# Altium PCB M.I.C. Control Board.PcbDoc
Units mil, origin at the board's own origin, x right, y up, seen from the top; angles counter-clockwise.
Board outline 3937.01 x 1968.5 mil, 2 copper layers (Top Layer, Bottom Layer); 64 components, 50 nets, 226 pads, 93 vias.
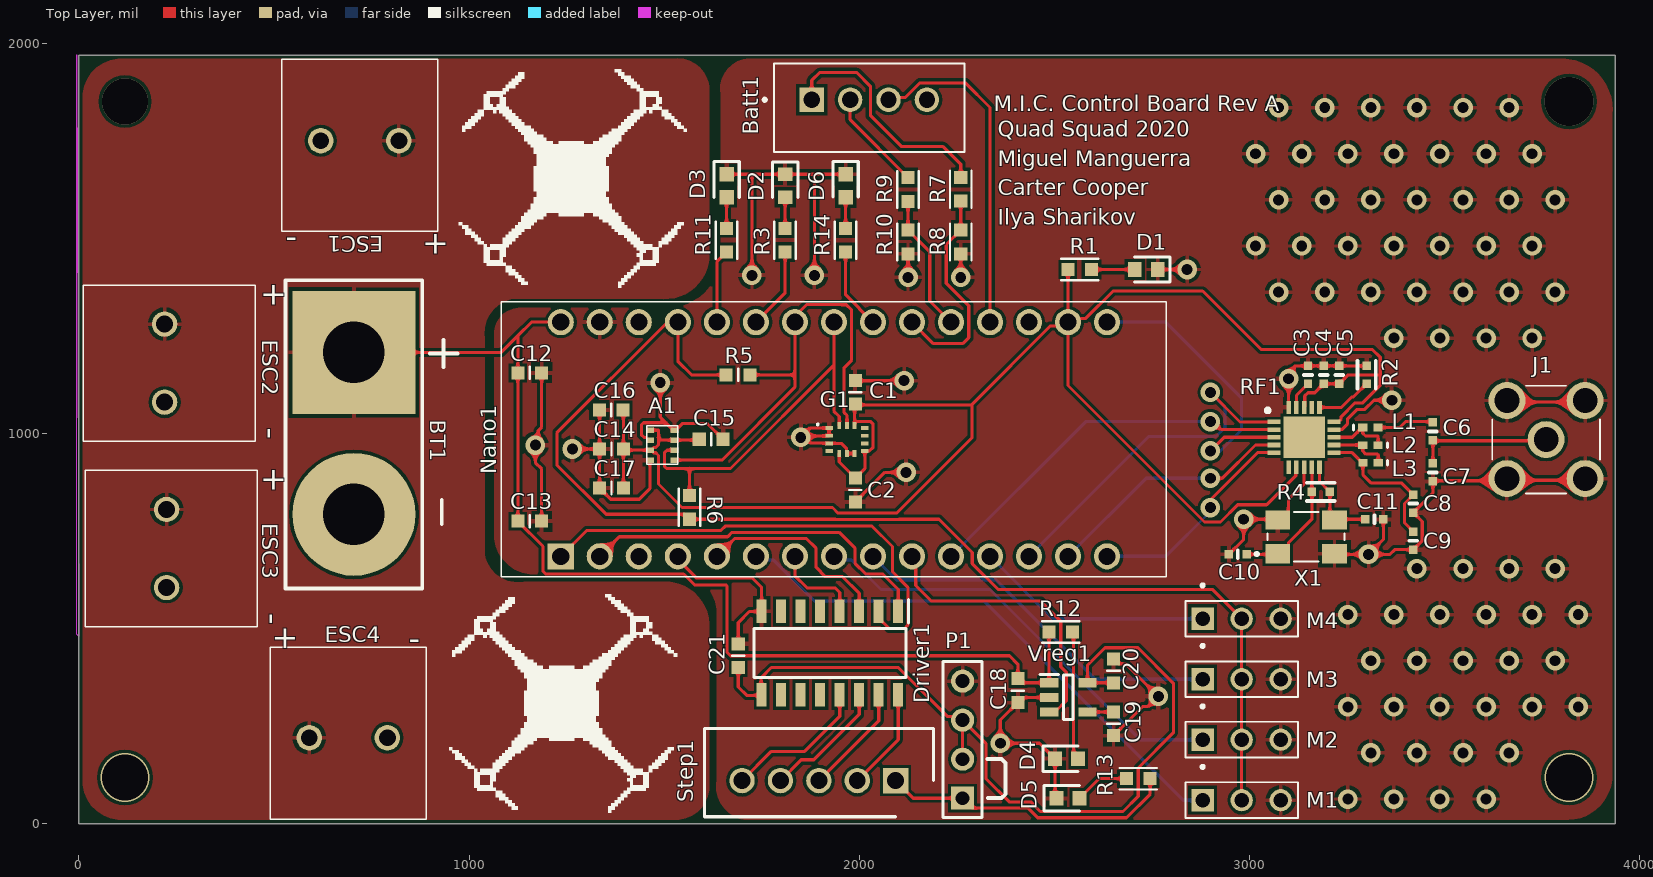
[diagram p0: Top Layer view]
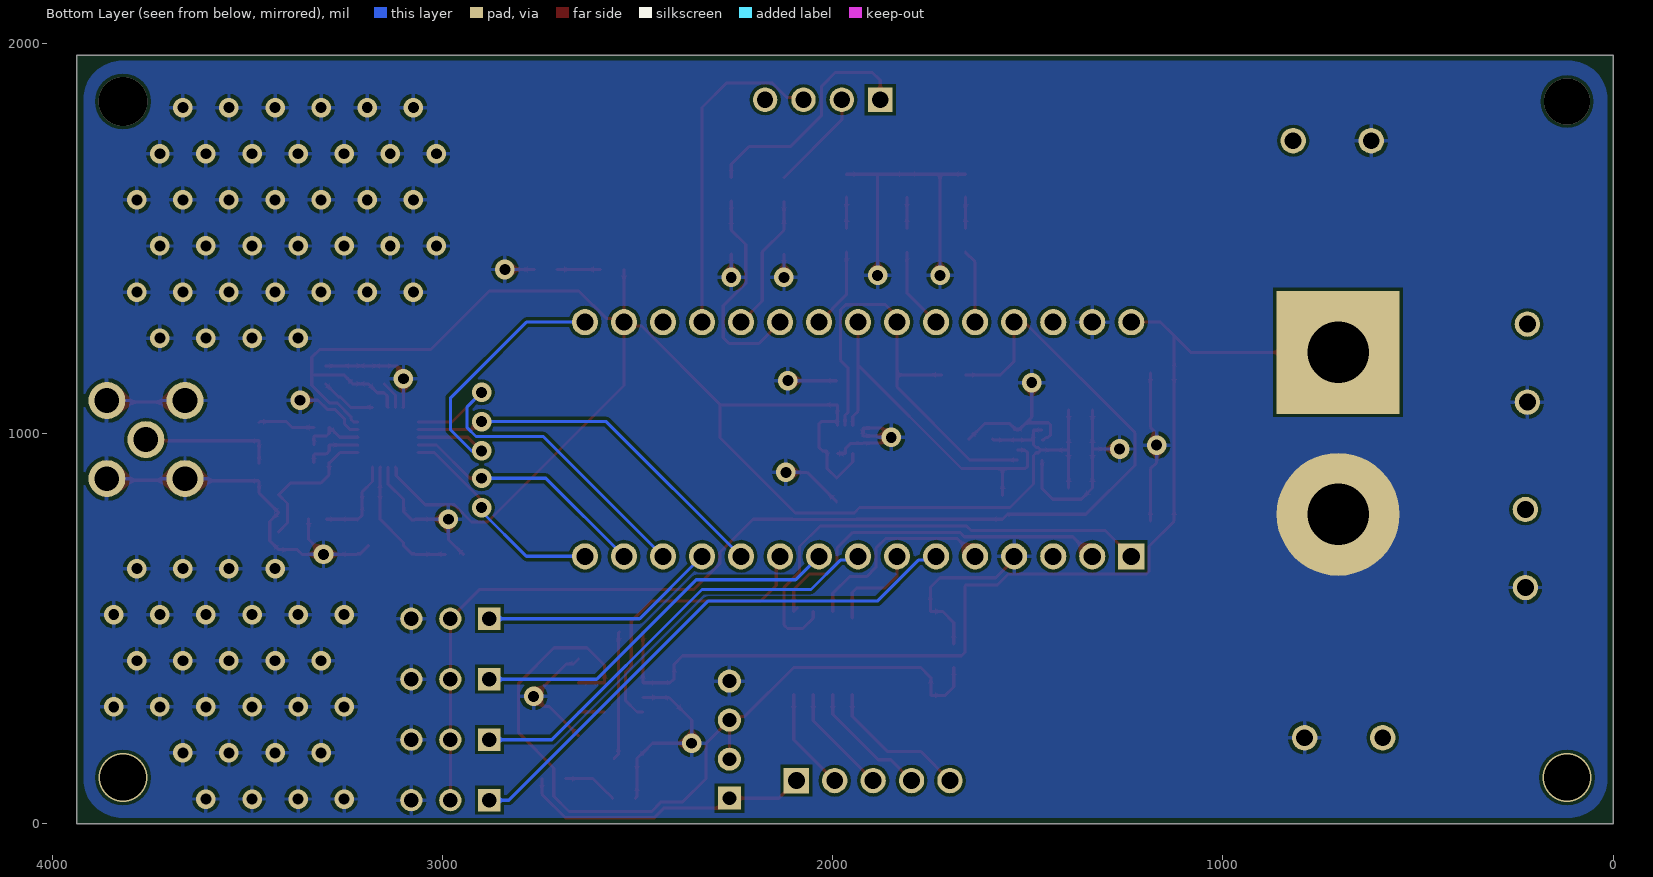
[diagram p1: Bottom Layer view, seen from below]

## Layer stack, top to bottom
Top Solder: solder mask 0.4, Solder Resist, Dk 3.5
Top Layer: signal copper 1.4
Dielectric 1: dielectric 12.6, FR-4, Dk 4.8
Bottom Layer: signal copper 1.4
Bottom Solder: solder mask 0.4, Solder Resist, Dk 3.5

## Board outline
0,0 0,1968.5 3937.01,1968.5 3937.01,0

## Design rules (kind name [scope] priority, off if disabled: settings)
Clearance [All] p1: gap=8 ignorepadtopadclearanceinfootprint=TRUE except(0: Arc-Hole Track-Hole SMDPad-Hole THPad-Hole Via-Hole Fill-Hole Poly-Hole Region-Hole Text-Hole)
PolygonConnect [All] p1: connectstyle=Relief reliefconductorwidth=10 reliefentries=4 polygonreliefangle="90 Angle" airgapwidth=10
RoutingCorners [All] p1: cornerstyle=45-Degree minsetback=100 maxsetback=110
RoutingVias [All] p1 off: holewidth=28 width=50 viastyle="Through Hole" minholewidth=28 minwidth=50 maxholewidth=28 maxwidth=50
SilkToSilkClearance [All] p1: silktosilkclearance=0
SilkToSolderMaskClearance [IsPad] p1: minsilkscreentomaskgap=0 clearancetoexposedcopper=FALSE
SolderMaskExpansion [All] p1: expansion=4 istentingtop=FALSE
UnRoutedNet [All] p1: checkbadconnections=TRUE
Width [All] p1: maxlimit=10 minlimit=8 preferedwidth=8 minimp=50.000000 maximp=50.000000 favimp=50.000000
26 further rules are at their usual default settings.

## Classes and differential pairs
component class "Motor Driver": C18 C19 C20 C21 D4 D5 Driver1 P1 R12 R13 Step1 Vreg1
component class "Altitude Sensor": A1 C14 C15 C16 C17
component class "Voltage Detection": Batt1 R7 R8 R9 R10
component class RF: C3 C4 C5 C6 C7 C8 C9 C10 C11 J1 L1 L2 L3 R2 R4 RF1 X1
component class Nano: BT1 C12 C13 D1 D2 D3 D6 ESC1 ESC2 ESC3 ESC4 M1 M2 M3 M4 Nano1 R1 R3 R5 R6 R11 R14
component class Gyro: C1 C2 G1

## Components (designator, comment, footprint, x,y, rotation, side; value= is the part's Value field where it differs from the comment)
A1 "BMP280" 8-PIN-METAL-LID-LGA 1495,970 r0 top
Batt1 "B4B-XH-A(LF)(SN) (JST-XH)" JST_B4B-XH-A(LF)(SN) 1878.15,1855 r0 top
BT1 "Battery" 12AWGBATTCONNECTOR 705,1000 r270 top
C1 "Cap" SMD-0603C 1990,1105.51 r0 top value=100nF
C2 "Cap" SMD-0603C 1990,855 r180 top value=100nF
C3 "33nF" SMD-0402C 3150,1150 r0 top value=0402
C4 "10nF" SMD-0402C 3190,1150 r0 top value=0402
C5 "1nF" SMD-0402C 3230,1150 r0 top value=0402
C6 "1.5pF" SMD-0402C 3470,1004.99 r0 top value=0402
C7 "1pF" SMD-0402C 3470,899.99 r180 top value=0402
C8 "22nF" SMD-0402C 3420,820 r180 top value=0402
C9 "4.7pF" SMD-0402C 3420,725 r180 top value=0402
C10 "12pF" SMD-0402C 2970,690 r90 top value=0402
C11 "12pF" SMD-0402C 3320,780 r270 top value=0402
C12 "Cap" SMD-0603C 1155.51,1155 r270 top value="10uF 16V"
C13 "Cap" SMD-0603C 1155.51,775 r270 top value="0.1uF 16V"
C14 "10nF" SMD-0603C 1365,960 r90 top value=0402
C15 "1nF" SMD-0603C 1620.51,985 r270 top value=0402
C16 "" SMD-0603C 1364.49,1060 r90 top value=100nF
C17 "" SMD-0603C 1365,860 r90 top value=100nF
C18 "Cap" SMD-0603C 2406.42,340.86 r180 top value=1uF
C19 "Cap" SMD-0603C 2651.42,255.86 r180 top value=470pF
C20 "Cap" SMD-0603C 2651.42,391.38 r0 top value=2.2uF
C21 "Cap" SMD-0603C 1689.88,430.12 r0 top value="10uF 16V"
D1 "150060GS55040" LEDC1608X50N 2735.47,1420 r180 top
D2 "150060GS55040" LEDC1608X50N 1810,1634.53 r270 top
D3 "150060BS75000" LEDC1608X80N 1660,1634.53 r270 top
D4 "150060GS55040" LEDC1608X50N 2531.42,165.86 r0 top
D5 "150060GS55040" LEDC1608X50N 2534.88,65.12 r0 top
D6 "150060RS75000" LEDC1608X80N 1965,1635 r270 top
Driver1 "ULN2004D1013TR" SOIC127P600X175-16N 1924.88,436.89 r270 top
ESC1 "1711725" PHEONIX-5.08PITCH-2PIN 820,1750 r180 top
ESC2 "1711725" PHEONIX-5.08PITCH-2PIN 220,1280 r270 top
ESC3 "1711725" PHEONIX-5.08PITCH-2PIN 225,805 r270 top
ESC4 "1711725" PHEONIX-5.08PITCH-2PIN 590.55,220 r0 top
G1 "LSM6DS3HTR" LGA-14(2.5X3X0.86) 1968.5,984.25 r0 top
J1 "Antenna" *SAMTEC_SMA-J-P-H-RA-TH1 3759.98,984.25 r180 top
L1 "3.9nH" 0402-A 3310,1015 r0 top value=0402
L2 "8.2nH" 0402-A 3310,970 r180 top value=0402
L3 "2.7nH" 0402-A 3310.31,925 r180 top value=0402
M1 "" *TE_3-644695-3 2980,60 r0 top
M2 "" *TE_3-644695-3 2980,215 r0 top
M3 "" *TE_3-644695-3 2980,370 r0 top
M4 "" *TE_3-644695-3 2980,525 r0 top
Nano1 "Arduino Nano Atmega 328P" ARDNanoINV 1935,985 r90 top
P1 "Header 4" HDR1X4 2264.88,65.12 r90 top
R1 "169" SMD-0603-RES 2565,1420 r90 top value=0603
R2 "22K" SMD-0402-RES 3300,1150 r180 top value=0402
R3 "169" SMD-0603-RES 1810,1495 r180 top value=0603
R4 "0402" SMD-0402-RES 3183,850 r270 top value=1M
R5 "Res1" SMD-0603C 1689.49,1150 r270 top value=4.7K
R6 "Res1" SMD-0603-RES 1565,810.51 r0 top value=4.7K
R7 "560k" SMD-0603-RES 2260,1625.51 r180 top value=0603
R8 "330k" SMD-0603-RES 2260,1490.51 r180 top value=0603
R9 "560k" SMD-0603-RES 2125,1625 r180 top value=0603
R10 "470k" SMD-0603-RES 2125,1490.51 r180 top value=0603
R11 "169" SMD-0603-RES 1660,1495 r180 top value=0603
R12 "169" SMD-0603-RES 2516.42,490.86 r90 top value=0603
R13 "169" SMD-0603-RES 2714.88,115.12 r270 top value=0603
R14 "169" SMD-0603-RES 1965,1495 r180 top value=0603
RF1 "NRF24L01" QFN50P400X400X95-21N-D 3140,990 r0 top
Step1 "B5B-XH-A_LF__SN_" SHDR5W64P0X250_1X5_1490X575X700P 2093.31,110.12 r0 top
Vreg1 "MIC5219-5.0YM5-TR" SOT95P280X145-5N 2535.64,323.46 r0 top
X1 "16 MHz Crystal" *XTAL_ECS-160-12-30BQ-AEN-TR 3145,735 r0 top

## Footprints (in the part's own frame and the unit in brackets; to place one, negate y for a bottom-side part, rotate by r counter-clockwise, add the part's x,y. Pads: shape width x height; smd on the part's side, far side on the other; paste and mask are expansions set on the pad)
8-PIN-METAL-LID-LGA [mm]
  rect 0.5x0.35 smd: 1(0.8,0.975) 2(0.8,0.325) 3(0.8,-0.325) 4(0.8,-0.975) 5(-0.8,-0.975) 6(-0.8,-0.325) 7(-0.8,0.325) 8(-0.8,0.975)
  silkscreen extent -1,-1.25 1,1.25, body extent -1,-1.25 1,1.25, height 1
12AWGBATTCONNECTOR [mm] "12 AWG Battery Connector"
  rect 8x8 hole 4: 1(-5.271,0)
  round 8 hole 4: 2(5.271,0)
  silkscreen extent -9.97,-4.45 10.1,6.73
0402-A [mm] "Chip Inductor, Body 1.0x0.5mm, IPC High Density"
  rect 0.6x0.5 smd: 1(-0.5,0) 2(0.5,0)
  silkscreen extent -1.1,-0.15 -1.1,0.15, body extent -0.55,-0.3 0.55,0.3, height 0.55
*SAMTEC_SMA-J-P-H-RA-TH1 [mm]
  round 2.4 hole 1.6: 1(0,0) 2(2.54,-2.54) 3(2.54,2.54) 4(-2.54,2.54) 5(-2.54,-2.54)
  silkscreen extent -3.5,-3.5 3.5,3.5, body extent -16.46,-3.94 4.01,3.99, height 4.44
*TE_3-644695-3 [mm]
  rect 1.448x1.448 hole 0.94: 1(-2.54,0)
  round 1.448 hole 0.94: 2(0,0) 3(2.54,0)
  silkscreen extent -3.66,-1.17 3.66,2.27, body extent -3.81,-1.27 3.81,1.27, height 5.5
*XTAL_ECS-160-12-30BQ-AEN-TR [mm]
  rect 1.6x1.25 smd: 1(-1.85,-1.1) 2(1.85,-1.1) 3(1.85,1.1) 4(-1.85,1.1)
  silkscreen extent -3.31,-1.6 2.5,1.6
ARDNanoINV [mm]
  rect 1.7x1.7 hole 1.11: 1(-7.62,17.78)
  round 1.7 hole 1.11: 2(-7.62,15.24) 3(-7.62,12.7) 4(-7.62,10.16) 5(-7.62,7.62) 6(-7.62,5.08) 7(-7.62,2.54) 8(-7.62,0) 9(-7.62,-2.54) 10(-7.62,-5.08) 11(-7.62,-7.62) 12(-7.62,-10.16) 13(-7.62,-12.7) 14(-7.62,-15.24) 15(-7.62,-17.78) 16(7.62,17.78) 17(7.62,15.24) 18(7.62,12.7) 19(7.62,10.16) 20(7.62,7.62) 21(7.62,5.08) 22(7.62,2.54) 23(7.62,0) 24(7.62,-2.54) 25(7.62,-5.08) 26(7.62,-7.62) 27(7.62,-10.16) 28(7.62,-12.7) 29(7.62,-15.24) 30(7.62,-17.78)
  silkscreen extent -8.94,-21.64 8.94,21.64, body extent -9,-23.4 9,21.6, height 13.91
HDR1X4 [mm] "Connector; Header; 4 Position"
  rect 1.5x1.5 hole 0.9: 1(0,0)
  round 1.5 hole 0.9: 2(2.54,0) 3(5.08,0) 4(7.62,0)
  silkscreen extent -1.27,-1.27 8.89,1.27
JST_B4B-XH-A(LF)(SN) [mm]
  rect 1.59x1.59 hole 1.06: 1(0,0)
  round 1.59 hole 1.06: 2(2.5,0) 3(5,0) 4(7.5,0)
  silkscreen extent -3.16,-3.4 9.95,2.35, body extent -2.49,-3.38 9.91,2.37, height 7
LEDC1608X50N [mm]
  rect 0.9x0.95 smd: 1(-0.75,0) 2(0.75,0)
  silkscreen extent -1.55,-0.82 0.75,0.82, body extent -0.84,-0.38 0.76,0.42, height 0.35
LEDC1608X80N [mm]
  rect 0.95x0.95 smd: 1(-0.75,0) 2(0.75,0)
  silkscreen extent -1.58,-0.82 0.75,0.82, body extent -0.8,-0.42 0.8,0.38, height 0.35
LGA-14(2.5X3X0.86) [mm]
  rect 0.475x0.25 smd: 1(-1.162,0.75) 2(-1.162,0.25) 3(-1.162,-0.25) 4(-1.162,-0.75) 8(1.162,-0.75) 9(1.162,-0.25) 10(1.162,0.25) 11(1.162,0.75)
  rect 0.25x0.475 smd: 5(-0.5,-0.913) 6(0,-0.913) 7(0.5,-0.913) 12(0.5,0.913) 13(0,0.913) 14(-0.5,0.913)
  silkscreen extent -1.93,0.95 -1.88,1.01, body extent -1.5,-1.25 1.5,1.25, height 0.76
PHEONIX-5.08PITCH-2PIN [mm]
  round 1.65 hole 1.1: 1(0,0) 2(5.08,0)
  silkscreen extent -2.54,-5.3 7.62,5.9, body extent -2.86,-5.35 7.87,5.85, height 18.3
QFN50P400X400X95-21N-D [mm]
  rect 0.85x0.3 smd: 1(-1.95,1) 2(-1.95,0.5) 3(-1.95,0) 4(-1.95,-0.5) 5(-1.95,-1) 11(1.95,-1) 12(1.95,-0.5) 13(1.95,0) 14(1.95,0.5) 15(1.95,1)
  rect 0.3x0.85 smd: 6(-1,-1.95) 7(-0.5,-1.95) 8(0,-1.95) 9(0.5,-1.95) 10(1,-1.95) 16(1,1.95) 17(0.5,1.95) 18(0,1.95) 19(-0.5,1.95) 20(-1,1.95)
  rect 2.7x2.7 smd: 21(0,0)
  silkscreen extent -2.5,1.63 -2.25,1.87, body extent -2.05,-2.05 2.05,2.05, height 0.95
SHDR5W64P0X250_1X5_1490X575X700P [mm]
  rect 1.65x1.65 hole 1.1: 1(0,0)
  round 1.65 hole 1.1: 2(-2.5,0) 3(-5,0) 4(-7.5,0) 5(-10,0)
  silkscreen extent -12.45,-2.35 2.45,3.4, body extent -12.45,-2.37 2.45,3.38, height 7
SMD-0402-RES [mm]
  rect 0.55x0.55 smd: 1(0,0.584) 2(0,-0.584)
  silkscreen extent -0.6,-0.9 0.6,0.9, body extent -0.28,-0.57 0.27,0.58, height 0.41
SMD-0402C [mm]
  rect 0.55x0.55 smd: 1(0,0.584) 2(0,-0.584)
  silkscreen extent -0.25,0 0.25,0, body extent -0.25,-0.51 0.25,0.51, height 0.51
SMD-0603-RES [mm]
  rect 0.85x0.85 smd: 1(0,0.775) 2(0,-0.775)
  silkscreen extent -0.7,-1.2 0.7,1.2, body extent -0.4,-0.85 0.4,0.85, height 0.56
SMD-0603C [mm]
  rect 0.85x0.85 smd: 1(0,0.775) 2(0,-0.775)
  silkscreen extent -0.4,0 0.4,0, body extent -0.4,-0.8 0.4,0.8, height 0.9
SOIC127P600X175-16N [mm]
  rect 1.525x0.65 smd: 1(-2.712,4.445) 2(-2.712,3.175) 3(-2.712,1.905) 4(-2.712,0.635) 5(-2.712,-0.635) 6(-2.712,-1.905) 7(-2.712,-3.175) 8(-2.712,-4.445) 9(2.712,-4.445) 10(2.712,-3.175) 11(2.712,-1.905) 12(2.712,-0.635) 13(2.712,0.635) 14(2.712,1.905) 15(2.712,3.175) 16(2.712,4.445)
  silkscreen extent -3.47,-4.95 1.6,5.12, body extent -3,-4.95 3,4.95, height 1.75
SOT95P280X145-5N [mm]
  rect 1.2x0.6 smd: 1(-1.25,0.95) 2(-1.25,0) 3(-1.25,-0.95) 4(1.25,-0.95) 5(1.25,0.95)
  silkscreen extent -1.85,-1.45 0.3,1.5, body extent -1.4,-1.45 1.4,1.45, height 1.45

## Part data
A1: "Pressure Sensor 4.35PSI ~ 15.95PSI _30kPa ~ 110kPa_ Absolute 16b 8-SMD", Package="SMD-8 Bosch Sensortec", Digi-Key_Part_Number=828-1064-1-ND, Digi-Key_Purchase_URL=https://www.digikey.com/product-detail/en/bosch-sensortec/BMP280/828-1064-1-ND/6136315?utm_source=snapeda&utm_medium=aggregator&utm_campaign=symbol, MF=Bosch, MP=BMP280, SnapEDA_Link=https://www.snapeda.com/parts/BMP280/Bosch%20Sensortec/view-part/1186631/?ref=snap
Batt1: library part B4B-XH-A(LF)(SN), "Connector Header Through Hole 4 position 0.098 _2.50mm_", Package=None, Availability=Unavailable, MF="JST Sales", MP=B4B-XH-A_LF__SN_, Price=None, SnapEDA_Link=https://www.snapeda.com/parts/B4B-XH-A%28LF%29%28SN%29/JST%20Sales%20America%20Inc./view-part/447494/?ref=snap
BT1: "Multicell Battery", LatestRevisionDate=17-Jul-2002, LatestRevisionNote="Re-released for DXP Platform.", PackageDescription="Battery; 2 Leads", PackageReference=BAT-2, Published=24-Mar-1999, Publisher="Altium Limited"
C1 C2 C12 C13 C18 C19 C20 C21: "Capacitor", LatestRevisionDate=17-Jul-2002, LatestRevisionNote="Re-released for DXP Platform.", PackageDescription="Radial Cap, Thru-Hole; 2 Leads; 0.3 in Pin Spacing", PackageReference=RAD-0.3, Published=8-Jun-2000, Publisher="Altium Limited"
C3 C4 C5 C6 C7 C8 C9 C10 C11 C14 C15 C16 C17: library part Cap, "Capacitor", LatestRevisionDate=17-Jul-2002, LatestRevisionNote="Re-released for DXP Platform.", PackageDescription="Radial Cap, Thru-Hole; 2 Leads; 0.3 in Pin Spacing", PackageReference=RAD-0.3, Published=8-Jun-2000, Publisher="Altium Limited"
D1 D2 D4 D5: "LED", Manufacturer_Name="Wurth Elektronik", Mouser Part Number=710-150060GS55040, RS Part Number=1766068P, Datasheet Link=https://katalog.we-online.de/led/datasheet/150060GS55040.pdf, Height=0.5mm, Manufacturer_Part_Number=150060GS55040, Mouser Price/Stock=https://www.mouser.com/Search/Refine.aspx?Keyword=710-150060GS55040, RS Price/Stock=http://uk.rs-online.com/web/p/products/1766068P
D3: "LED", Manufacturer_Name="Wurth Elektronik", Mouser Part Number=710-150060BS75000, RS Part Number=8154206P, Datasheet Link=https://componentsearchengine.com/Datasheets/2/150060BS75000.pdf, Height=0.8mm, Manufacturer_Part_Number=150060BS75000, Mouser Price/Stock=https://www.mouser.com/Search/Refine.aspx?Keyword=710-150060BS75000, RS Price/Stock=http://uk.rs-online.com/web/p/products/8154206P
D6: "LED", Manufacturer_Name="Wurth Elektronik", Mouser Part Number=710-150060RS75000, RS Part Number=8154203P, Datasheet Link=http://katalog.we-online.de/led/datasheet/150060RS75000.pdf, Height=0.8mm, Manufacturer_Part_Number=150060RS75000, Mouser Price/Stock=https://www.mouser.com/Search/Refine.aspx?Keyword=710-150060RS75000, RS Price/Stock=http://uk.rs-online.com/web/p/products/8154203P
Driver1: "Integrated Circuit", Manufacturer_Name=STMicroelectronics, Mouser Part Number=511-ULN2004D1013TR, RS Part Number=6868161P, Allied_Number=70391946, Allied Price/Stock=http://www.alliedelec.com/stmicroelectronics-uln2004d1013tr/70391946/, Datasheet Link=http://www.st.com/st-web-ui/static/active/en/resource/technical/document/datasheet/CD00001244.pdf, Height=1.75mm, Manufacturer_Part_Number=ULN2004D1013TR, Mouser Price/Stock=https://www.mouser.com/Search/Refine.aspx?Keyword=511-ULN2004D1013TR, RS Price/Stock=http://uk.rs-online.com/web/p/products/6868161P
ESC1 ESC2 ESC3 ESC4: "Integrated Circuit", Manufacturer_Name="Phoenix Contact", Mouser Part Number=651-1711725, RS Part Number=1895843, Allied_Number=70054425, Allied Price/Stock=http://www.alliedelec.com/phoenix-contact-1711725/70054425/, Datasheet Link=http://docs-asia.electrocomponents.com/webdocs/1380/0900766b81380186.pdf, Manufacturer_Part_Number=1711725, Mouser Price/Stock=https://www.mouser.com/Search/Refine.aspx?Keyword=651-1711725, RS Price/Stock=http://uk.rs-online.com/web/p/products/1895843
G1: "Integrated Circuit", Manufacturer_Name=STMicroelectronics, Mouser Part Number=511-LSM6DS3HTR, Datasheet Link=http://www.st.com/content/ccc/resource/technical/document/datasheet/group0/38/96/79/af/ab/62/42/c3/DM00229854/files/DM00229854.pdf/jcr:content/translations/en.DM00229854.pdf, Manufacturer_Part_Number=LSM6DS3HTR, Mouser Price/Stock=https://www.mouser.com/Search/Refine.aspx?Keyword=511-LSM6DS3HTR
J1: library part SMA-J-P-H-RA-TH1, "SMA Connector Jack, Female Socket 50Ohm Through Hole, Right Angle Solder", Package=None, Availability=Unavailable, MF=Samtec, MP=SMA-J-P-H-RA-TH1, Price=None, SnapEDA_Link=https://www.snapeda.com/parts/SMA-J-P-H-RA-TH1/Samtec%20Inc./view-part/134498/?ref=snap
L1 L2 L3: library part Inductor, "Inductor", Code_IEC=1005, Code_JEITA=0402, LatestRevisionDate=29-May-2009, LatestRevisionNote="IPC-7351 Footprint Added.", PackageDescription="Chip Inductor", PackageReference=0402-A, Published=8-Jun-2000, Publisher="Altium Limited"
M1 M2 M3 M4: library part "Header 3", "Header, 3-Pin", LatestRevisionDate=17-Jul-2002, LatestRevisionNote="Re-released for DXP Platform.", Publisher="Altium Limited"
Nano1: library part ARDNanoINV, "Integrated Circuit", Manufacturer_Name=Arduino, Mouser Part Number=992-ARD-NANO30, Datasheet Link=https://componentsearchengine.com/Datasheets/2/A000005.pdf, Height=10.1mm, Manufacturer_Part_Number=ARDNanoINV, Mouser Price/Stock=http://www.mouser.com/Search/ProductDetail.aspx?qs=Vxac6xGyzPmCaTfvE003gg%3d%3d
P1: "Header, 4-Pin", LatestRevisionDate=17-Jul-2002, LatestRevisionNote="Re-released for DXP Platform.", Publisher="Altium Limited"
R1 R2 R3 R4 R7 R8 R9 R10 R11 R12 R13 R14: library part Res1, "Resistor", LatestRevisionDate=17-Jul-2002, LatestRevisionNote="Re-released for DXP Platform.", PackageDescription="Axial Device, Thru-Hole; 2 Leads; 0.3 in Pin Spacing", PackageReference=AXIAL-0.3, Published=8-Jun-2000, Publisher="Altium Limited"
R5 R6: "Resistor", LatestRevisionDate=17-Jul-2002, LatestRevisionNote="Re-released for DXP Platform.", PackageDescription="Axial Device, Thru-Hole; 2 Leads; 0.3 in Pin Spacing", PackageReference=AXIAL-0.3, Published=8-Jun-2000, Publisher="Altium Limited"
RF1: "Integrated Circuit", Manufacturer_Name="Nordic Semiconductor", Mouser Part Number=949-NRF24L01, RS Part Number=6156531, Datasheet Link=https://www.nordicsemi.com/chi/content/download/2730/34105/file/nRF24L01_Product_Specification_v2_0.pdf, Height=0.95mm, Manufacturer_Part_Number=NRF24L01, Mouser Price/Stock=https://www.mouser.com/Search/Refine.aspx?Keyword=949-NRF24L01, RS Price/Stock=http://uk.rs-online.com/web/p/products/6156531
Step1: "28BYJ-48 Stepper Motor", Manufacturer_Name="JST (JAPAN SOLDERLESS TERMINALS)", Manufacturer_Part_Number=B5B-XH-A(LF)(SN), RS Part Number=8201560P, Datasheet Link=http://www.jst-mfg.com/product/pdf/eng/eXH.pdf, Height=7mm, RS Price/Stock=http://uk.rs-online.com/web/p/products/8201560P
Vreg1: "Integrated Circuit", Manufacturer_Name=Microchip, Mouser Part Number=998-MIC5219-5.0YM5TR, RS Part Number=9101755P, Datasheet Link=http://ww1.microchip.com/downloads/en/DeviceDoc/MIC5219-500mA-Peak-Output-LDO-Regulator-DS20006021A.pdf, Height=1.45mm, Manufacturer_Part_Number=MIC5219-5.0YM5-TR, Mouser Price/Stock=https://www.mouser.com/Search/Refine.aspx?Keyword=998-MIC5219-5.0YM5TR, RS Price/Stock=http://uk.rs-online.com/web/p/products/9101755P
X1: library part ECS-160-12-30BQ-AEN-TR, "16MHz Â±25ppm Crystal 12pF 50 Ohms 4-SMD, No Lead", Package="SMD-4 ECS International", Availability=Unavailable, MF="ECS Inc.", MP=ECS-160-12-30BQ-AEN-TR, Price=None, SnapEDA_Link=https://www.snapeda.com/parts/ECS-160-12-30BQ-AEN-TR/ECS%20Inc./view-part/2749540/?ref=snap

## Via types
v1: diameter 50, hole 28, Top Layer to Bottom Layer, 89 vias
v2: diameter 125.98, hole 118.11, Top Layer to Bottom Layer, 2 vias
v3: diameter 125.98, hole 125.98, Top Layer to Bottom Layer, 1 vias
v4: diameter 118.11, hole 118.11, Top Layer to Bottom Layer, 1 vias

## Nets (pads, with @x,y where several pads share a name; then routed paths per layer and width w, separated by ;. In a path a pad name is that pad's centre, name@x,y a point inside that pad or via, vN(x,y) a via of type N, cw(c..) or ccw(c..) an arc to the next point about the centre after c; other vN are vias at no path point)
+5V: M1.2 M2.2 M3.2 M4.2 Nano1.19 R5.2 R6.2 | length 3152
  Top Layer w8: R5.2 1570,1150 1535,1185 Nano1.19 1508.54,1285 1225,1001.46 1225,919.05 1351.32,792.73 1552.27,792.73 R6.2 1938.8,780 1939.04,779.76 2102.05,779.76 2102.3,780 2204.3,780 2289.54,694.76 2289.54,666.17 2355.43,600.27 2904.73,600.27 M4.2 M3.2 M2.2 M1.2 M1.2@2977.5,57.5
Blue: Nano1.20 R11.1 | length 209.8
  Top Layer w8: Nano1.20@1655,1285 Nano1.20 1635,1439.49 R11.1
D3: M1.1 Nano1.6 | length 1403.9
  Bottom Layer w8: Nano1.6 1744.76,675.24 1780.46,675.24 1885.7,570 2320,570 2830,60 M1.1
D5: M2.1 Nano1.8 | length 1139.7
  Bottom Layer w8: Nano1.8 1944.76,675.24 1980.46,675.24 2055.7,600 2335,600 2720,215 M2.1
D6: M3.1 Nano1.9 | length 989.7
  Top Layer w8: Nano1.9@2035,670 Nano1.9@2035,684.25
  Bottom Layer w8: Nano1.9 2095,625 2350,625 2605,370 M3.1
D9: M4.1 Nano1.12 | length 611.3
  Bottom Layer w8: Nano1.12 2495,525 M4.1
GND: A1.1 A1.5 A1.7 BT1.2 C1.1 C2.1 C3.1 C4.1 C5.1 C7.1 C8.1 C9.1 C10.1 C11.1 C12.1 C13.1 C14.1 C15.1 C16.1 C17.1 C18.1 C19.1 C20.1 C21.1 D1.1 D2.1 D3.1 D4.1 D5.1 D6.1 Driver1.8 ESC1.2 ESC2.2 ESC3.2 ESC4.2 G1.1 G1.2 G1.3 G1.6 G1.7 J1.2 J1.3 J1.4 J1.5 M1.3 M2.3 M3.3 M4.3 Nano1.4 Nano1.17 P1.4 R2.2 R8.1 R10.1 RF1.8 RF1.14 RF1.20 Vreg1.2 X1.2 X1.4 | length 6187.7
  Top Layer w8: BT1.2@705,785 BT1.2@712.5,792.5 ; BT1.2 BT1.2@712.5,792.5 ; BT1.2@715.51,792.5 BT1.2@712.5,792.5 ; BT1.2@715.51,795.51 BT1.2@712.5,792.5 ; C13.1 1186.02,908.98 1170,925 v1(1170,970) 1177,977 1177,1007 1186.02,1016.02 C12.1 ; v1(1265,960) C14.1 ; C16.1 1334.49,1059.49 C14.1 ; A1.5 1463.5,858.5 1436.27,831.27 1363.22,831.27 C17.1 C14.1 ; A1.7 1460.55,982.8 1453.85,989.5 1448.69,989.5 1441.66,996.53 1441.66,1021.66 1447.28,1027.28 1504.65,1027.28 ; v1(1490,1130) 1490,1041.93 1504.65,1027.28 ; Nano1.4 1550,685 1550,662.02 1582.02,630 1725,630 1749.88,605.12 Driver1.8 1718.43,543.66 1689.88,515.12 C21.1 ; C15.1 1611.02,1025 1546.06,1025 1529.45,1008.39 A1.1 1523.54,1008.39 1504.65,1027.28 ; D3.1 1725,1664.06 ; v1(1725,1405) 1725,1664.06 ; v1(1885,1405) 1885,1661.79 1887.26,1664.06 ; D6.1 1964.53,1664.06 1887.26,1664.06 ; G1.7 G1.6 1967.58,949.25 1967.58,960.81 1953.98,974.41 G1.3 1922.15,975 1876.37,975 1861.37,990 v1(1850,990) v1@1853.17,993.17 ; C2.1 2065.51,900 v1(2120,900) ; C1.1 1991.02,1135 v1(2115,1135) ; v1(2125,1400) R10.1 ; v1(2260,1400) R8.1 ; Vreg1.2 2486.05,323.08 2419.16,323.08 C18.1 2361.42,265.35 v1(2361.42,205.86) 2461.9,205.86 2487.2,180.57 2488.18,180.57 2501.9,166.85 D4.1 2501.9,68.58 D5.1 ; C19.1 2725.77,299.7 2740.26,299.7 v1(2766.42,325.86) 2683.13,409.16 2664.16,409.16 C20.1 ; D1.1 v1(2840,1420) ; C10.1 2985,728 v1(2985,780) 3070.47,780 X1.4 3079.06,778.31 3099.66,798.91 3099.66,830.43 3140,870.76 RF1.8 ; RF1.20 3100.31,1067.09 3100.31,1139.69 v1(3100,1140) 3100,1155 3118,1173 C3.1 C4.1 C5.1 R2.2 ; X1.2@3190.34,712.3 3210.94,691.69 X1.2 3219.53,690 v1(3305,690) ; RF1.14 3236.69,1009.68 3250.82,1023.81 3250.82,1036.44 3275.85,1061.47 3295.72,1061.47 3319.25,1085 v1(3365,1085) ; C11.1@3344,781 C11.1 3343,728 v1(3305,690) ; J1.2@3659.98,1080.02 J1.5@3859.98,1080.02 ; J1.4@3859.98,880.02 3659.98,880.02 3658.5,878.5 3471.5,878.5 C7.1 3470,847 C8.1 3442.83,774.17 3442.83,724.83 C9.1 3372,702 3360,690 v1(3305,690) ; 1725,1664.06 D2.1 1887.26,1664.06 ; v1@1853.17,993.17 1873.78,1013.78 G1.1 G1.2 1921.81,993.17 v1@1853.17,993.17
  other v1: 3251.97,62.99 3370.08,62.99 3488.19,62.99 3606.3,62.99 3311.02,181.1 3429.13,181.1 3547.24,181.1 3665.35,181.1 3251.97,299.21 3370.08,299.21 3488.19,299.21 3606.3,299.21 3724.41,299.21 3842.52,299.21 3311.02,417.32 3429.13,417.32 3547.24,417.32 3665.35,417.32 3783.46,417.32 3251.97,535.43 3370.08,535.43 3488.19,535.43 3606.3,535.43 3724.41,535.43 3842.52,535.43 3429.13,653.54 3547.24,653.54 3665.35,653.54 3783.46,653.54 3370.08,1244.09 3488.19,1244.09 3606.3,1244.09 3724.41,1244.09 3074.8,1362.2 3192.91,1362.2 3311.02,1362.2 3429.13,1362.2 3547.24,1362.2 3665.35,1362.2 3783.46,1362.2 3015.75,1480.31 3133.86,1480.31 3251.97,1480.31 3370.08,1480.31 3488.19,1480.31 3606.3,1480.31 3724.41,1480.31 3074.8,1598.42 3192.91,1598.42 3311.02,1598.42 3429.13,1598.42 3547.24,1598.42 3665.35,1598.42 3783.46,1598.42 3015.75,1716.53 3133.86,1716.53 3251.97,1716.53 3370.08,1716.53 3488.19,1716.53 3606.3,1716.53 3724.41,1716.53 3074.8,1834.64 3192.91,1834.64 3311.02,1834.64 3429.13,1834.64 3547.24,1834.64 3665.35,1834.64
Green: Nano1.21 R3.1 | length 214.1
  Top Layer w8: Nano1.21@1735,1284.25 Nano1.21@1737.5,1286.75 ; Nano1.21 1810,1360 R3.1
NetA1_2: A1.2 A1.6 A1.8 C1.2 C2.2 C4.2 C5.2 C14.2 C15.2 C16.2 C17.2 G1.5 G1.8 G1.12 Nano1.29 R1.1 RF1.7 RF1.15 RF1.18 | length 5025.5
  Top Layer w8: C16.2 1395.51,1059.49 C14.2 ; C17.2 C14.2 ; A1.8 1485.35,1008.39 1485.35,989.66 ; C15.2 1587.8,982.8 A1.2 1492.21,982.8 1485.35,989.66 ; G1.5 1948.82,926.69 C2.2 2014.27,909.78 G1.8 2025.83,954.72 2035.62,964.52 2035.62,1023.67 2028.59,1030.7 1994.28,1030.7 G1.12@1988.19,1024.61 ; G1.12 G1.12@1988.19,1024.61 ; R1.1 2535,1419.49 Nano1.29 ; RF1.7 3118.54,911.45 3118.54,891.53 3044.01,817 2969.67,817 2925.67,773 2884.67,773 2535,1122.67 Nano1.29 ; RF1.18 3141.78,1068.55 3141.78,1096.15 3149.8,1104.17 3167.17,1104.17 C4.2 C5.2 3252.83,1149.83 3334.83,1149.83 3335,1150 ; RF1.15 3227.6,1029.37 3234.82,1036.59 3234.82,1043.07 3269.22,1077.47 3289.1,1077.47 3335,1123.38 3335,1150 ; C14.2 1398.31,957.2 A1.6 A1.6@1466.46,957.2 ; A1.6@1466.46,957.2 1473.16,950.5 1478.32,950.5 1485.35,943.47 1485.35,870.24 1545.59,810 1931.43,810 1945.67,795.76 2095.42,795.76 2289.3,989.63 2289.3,1073.19 ; A1.6@1466.46,957.2 1473.16,963.91 1478.32,963.91 1485.35,970.93 1485.35,989.66 ; G1.12@1988.19,1024.61 1988.19,1073.19 2289.3,1073.19 ; 2289.3,1073.19 2289.3,1075 2489.54,1275.24 2525.24,1275.24 Nano1.29 ; Nano1.29 2544.76,1294.76 2580.46,1294.76 2650.7,1365 2880,1365 3030,1215 3315,1215 3335,1195 3335,1150
NetA1_3: A1.3 G1.14 Nano1.23 R6.1 | length 948.4
  Top Layer w8: A1.3 1507.2,957.2 1501.35,951.35 1501.35,914.69 1506.03,910 1565,910 ; R6.1 1565,910 ; Nano1.23@1935,1284.25 1935,1175 ; G1.14 1948.82,1043.12 1935,1056.94 1935,1175 ; 1565,910 1670,910 1935,1175
NetA1_4: A1.4 G1.13 Nano1.22 R5.1 | length 1153.3
  Top Layer w8: A1.4 1648.07,931.61 1835,1118.54 1835,1150 ; R5.1 1835,1150 ; G1.13 1968.5,1046.06 1961.27,1053.3 1961.27,1168.59 1980.46,1187.79 1980.46,1316.16 1966.91,1329.72 1954.58,1329.72 1953.83,1330.46 1865.46,1330.46 1835,1300 Nano1.22 1835,1150
NetBatt1_1: Batt1.1 R7.2 | length 615.2
  Top Layer w8: Batt1.1 1878.15,1904.72 1898.43,1925 1993.43,1925 2028.43,1890 2028.43,1815 2108.43,1735 2215,1735 2260,1690 R7.2
NetBatt1_2: Batt1.2 R9.2 | length 261
  Top Layer w8: Batt1.2 1976.57,1803.94 R9.2
NetBatt1_3: Batt1.3 Nano1.27 | length 854.2
  Top Layer w8: Batt1.3 2081.11,1861.11 2118.3,1861.11 2155.49,1898.3 2271.7,1898.3 2335,1835 Nano1.27
NetC3_2: C3.2 RF1.19 | length 72.5
  Top Layer w8: RF1.19 3120.31,1097.32 C3.2
NetC6_1: C6.1 L1.2 | length 147.4
  Top Layer w8: L1.2 3385,1015 3400,1030 3467.99,1030 C6.1
NetC6_2: C6.2 C7.2 J1.1 | length 349.8
  Top Layer w8: C7.2 C6.2 3471,981 3759,981 J1.1@3759.98,980.02
NetC8_2: C8.2 C9.2 L3.2 RF1.11 | length 379.7
  Top Layer w8: RF1.11 3263.03,950.63 3288.66,925 L3.2 3290.63,894.37 3312.49,872.51 3390.49,872.51 C8.2 3397.17,820.17 3397.17,770.83 C9.2
NetC10_2: C10.2 R4.2 RF1.9 X1.1 | length 342
  Top Layer w8: C10.2 3070.47,690 X1.1 3079.06,691.69 3099.66,712.3 3099.66,719.19 3160,779.53 R4.2 3159.84,850.16 3159.84,913.07 RF1.9
NetC11_2: C11.2 R4.1 RF1.10 X1.3 | length 230.7
  Top Layer w8: RF1.10 3179.37,876.63 R4.1 3206,790.14 X1.3 3219.53,780 C11.2
NetC19_2: C19.2 Vreg1.4 | length 66.7
  Top Layer w8: Vreg1.4 2651.11,286.06 C19.2
NetC20_2: C20.2 C21.2 Driver1.9 P1.2 P1.3 Vreg1.5 | length 2175.9
  Top Layer w8: C21.2 1689.88,350.12 1711.34,328.66 1748.43,328.66 1748.43,373.66 1774.88,400.12 2100.07,400.12 2225.3,274.88 2255.12,274.88 P1.3 ; P1.2 P1.3 ; C20.2 Vreg1.5 2584.85,405.75 2629.72,450.62 2714.38,450.62 2804.88,360.12 2804.88,232.67 2714.88,142.67 2714.88,70.12 2675.88,31.12 2464.01,31.12 2439.54,55.59 2384.41,55.59 2324.42,115.58 2324.42,205.58 P1.3
NetD1_2: D1.2 R1.2 | length 110.4
  Top Layer w8: R1.2 D1.2
NetD2_2: D2.2 R3.2 | length 79.5
  Top Layer w8: R3.2 D2.2
NetD3_2: D3.2 R11.2 | length 79.5
  Top Layer w8: R11.2 D3.2
NetD4_2: D4.2 R12.2 | length 330.8
  Top Layer w8: R12.2 2549.23,488.57 2549.23,177.59 D4.2
NetD5_2: D5.2 R13.2 | length 141.2
  Top Layer w8: D5.2 2564.41,66.1 2578.13,79.82 2579.11,79.82 2614.41,115.12 R13.2
NetD6_2: D6.2 R14.2 | length 80
  Top Layer w8: R14.2 D6.2
NetDriver1_1: Driver1.1 Nano1.2 | length 967.9
  Top Layer w8: Nano1.2@1360,685 Nano1.2 1385.27,735.27 1662.64,735.27 1673.84,746.46 1948.54,746.46 1989.54,705.46 1989.54,666.17 2016.17,639.54 2060.46,639.54 2099.88,600.12 Driver1.1 Driver1.1@2091.09,552.45
NetDriver1_2: Driver1.2 Nano1.1 | length 1228.2
  Top Layer w8: Nano1.1 1301.27,751.27 1645,751.27 1656.2,762.46 2032.54,762.46 2085,710 2085,645 2124.68,605.32 2124.68,508.67 2115.89,499.88 2076.44,499.88 2049.88,526.43 Driver1.2
NetDriver1_3: Driver1.3 Nano1.5 | length 516.8
  Top Layer w8: Nano1.5 1680.46,730.46 1864.38,730.46 1889.54,705.31 1889.54,656.69 1913.19,633.03 1956.97,633.03 1999.88,590.12 Driver1.3
NetDriver1_4: Driver1.4 Nano1.7 | length 268.3
  Top Layer w8: Nano1.7@1815,685 Nano1.7 1835,635 1865.98,604.02 1937.99,604.02 1949.88,592.13 Driver1.4 Driver1.4@1949.88,526.43
NetDriver1_13: Driver1.13 Step1.5 | length 373.6
  Top Layer w8: Step1.5 1774.61,185.12 1859.88,185.12 1949.88,275.12 Driver1.13
NetDriver1_14: Driver1.14 Step1.4 | length 322.3
  Top Layer w8: Step1.4 1851.46,163.54 1883.31,163.54 1999.88,280.12 Driver1.14
NetDriver1_15: Driver1.15 Step1.3 | length 306.7
  Top Layer w8: Step1.3@1919.61,110.12 Step1.3 2049.88,263.54 Driver1.15
NetDriver1_16: Driver1.16 Step1.2 | length 263.5
  Top Layer w8: Step1.2 2099.88,215.12 Driver1.16
NetL1_1: L1.1 L2.1 RF1.13 | length 166.7
  Top Layer w8: RF1.13@3218.55,991.78 RF1.13 3263.35,990 3288.35,1015 L1.1 3290.31,1000.19 3297.34,993.16 3329.69,993.16 L2.1
NetL2_2: L2.2 L3.1 RF1.12 | length 152.9
  Top Layer w8: RF1.12 RF1.12@3216.93,970.16 ; RF1.12@3217.09,970 RF1.12@3216.93,970.16 ; L3.1 3330,945 3328.16,946.84 3298.16,946.84 3290.31,954.68 L2.2 3290.16,970.16 RF1.12@3216.93,970.16
NetNano1_10: Nano1.10 Vreg1.3 | length 754.6
  Top Layer w8: Nano1.10 2144.76,675.24 2144.76,610.24 2185,570 2465,570 2516.42,518.58 2516.42,401.59 2531.42,386.58 2531.42,316.06 2501.43,286.06 Vreg1.3
NetNano1_11: Nano1.11 RF1.2 | length 979.5
  Top Layer w8: v1(2900,1030) 2906.37,1030 2926.68,1009.68 RF1.2
  Bottom Layer w8: Nano1.11 2580,1030 v1(2900,1030)
NetNano1_13: Nano1.13 RF1.1 | length 938.8
  Top Layer w8: v1(2900,1105) 2975.63,1029.37 RF1.1
  Bottom Layer w8: Nano1.13 2742,992 2914.33,992 2937,1014.67 2937,1068 v1(2900,1105)
NetNano1_14: Nano1.14 RF1.4 | length 646.4
  Top Layer w8: v1(2900,885) 2930,885 3015.32,970.32 RF1.4
  Bottom Layer w8: Nano1.14 2735,885 v1(2900,885)
NetNano1_15: Nano1.15 RF1.5 | length 555.8
  Top Layer w8: v1(2900,810) 2900,830 3020.63,950.63 RF1.5
  Bottom Layer w8: Nano1.15 2785,685 2900,800 v1(2900,810)
NetNano1_25: Nano1.25 R7.1 R8.2 | length 563.3
  Top Layer w8: Nano1.25 2190,1230 2265,1230 2280.46,1245.46 2280.46,1327.21 2223,1384.67 2223,1484.02 R8.2 R7.1
NetNano1_26: Nano1.26 R9.1 R10.2 | length 355.1
  Top Layer w8: R9.1 R10.2 2180.73,1465.3 2180.73,1339.27 Nano1.26
NetNano1_30: Nano1.30 RF1.3 | length 786.3
  Top Layer w8: v1(2900,955) 2935,990 RF1.3
  Bottom Layer w8: Nano1.30 2785,1285 2980,1090 2980,1010 2925,955 v1(2900,955)
NetP1_1: P1.1 R13.1 Step1.1 | length 756
  Top Layer w8: Step1.1 2138.31,65.12 P1.1 2290.41,39.59 2432.91,39.59 2457.38,15.12 2684.88,15.12 2745.4,75.63 R13.1
NetR2_1: R2.1 RF1.16 | length 145.6
  Top Layer w8: RF1.16 3235.9,1066.77 3262.6,1093.47 3266.47,1093.47 R2.1
Red: Nano1.24 R14.1 | length 208.5
  Top Layer w8: R14.1 1965,1355 Nano1.24
VCC: BT1.1 C12.2 C13.2 C18.2 ESC1.1 ESC2.1 ESC3.1 ESC4.1 Nano1.16 R12.1 Vreg1.1 | length 2859
  Top Layer w8: BT1.1 1082.5,1207.5 1125,1250 ; Nano1.16 1160,1285 1125,1250 ; R12.1 2486.42,490.35 Vreg1.1 2416.94,360.86 C18.2 2406.42,408.58 2384.88,430.12 1669.96,430.12 1661.15,438.92 1661.15,608.85 1658.29,611.71 1577.68,611.71 1549.85,639.54 1196.56,639.54 1189.54,646.56 1189.54,710.46 C13.2 C12.2 1125,1250
pads on no net: Batt1.4 Driver1.5 Driver1.6 Driver1.7 Driver1.10 Driver1.11 Driver1.12 G1.4 G1.9 G1.10 G1.11 Nano1.3 Nano1.18 Nano1.28 RF1.6 RF1.17 RF1.21
copper on no net:
  other v2: 118.11,118.11 3818.9,118.11
  other v3: 3818.9,1850.39
  other v4: 118.11,1850.39

## Polygon pours and split planes (outlines as drawn)
GND on Top Layer "Top Layer-GND" (solid, pour order 48): 3810,10 ccw(c3815,125) 3930,120 3930,1820 ccw(c3800,1830) 3810,1960 1710,1960 ccw(c1722.5,1882.5) 1645,1870 1645,1450 cw(c1508.76,1458.74) 1500,1322.5 1132.5,1322.5 ccw(c1132.49,1255.01) 1065,1255 1065,739.54 ccw(c1165,739.54) 1165,639.54 1535,639.54 cw(c1535,539.54) 1635,539.54 1635,111.33 ccw(c1720.21,95.21) 1704.09,10
VCC on Top Layer "Top Layer-VCC" (solid, pour order 44): 10,1860 cw(c110,1860) 110,1960 1526.25,1960 cw(c1535.13,1880.13) 1615,1889 1615,1445 cw(c1502.5,1457.49) 1490,1345 1115,1345 ccw(c1127.5,1257.5) 1040,1245 1040,690 ccw(c1125,705) 1140,620 1515,620 cw(c1500,505) 1615,490 1615,95.15 cw(c1530.17,94.83) 1530.17,10 110,10 cw(c110,110) 10,110
no net on Top Layer "Top Layer-No Net 6" (solid, pour order 42): 10,585
no net on Top Layer "Top Layer-No Net 5" (solid, pour order 40): 2821.42,445.86
no net on Top Layer "Top Layer-No Net 1" (solid, pour order 36): 2410,975
no net on Top Layer "Top Layer-No Net 2" (solid, pour order 30): 2499.88,20.12
no net on Top Layer "Top Layer-No Net 3" (solid, pour order 18): 110,1685
no net on Top Layer "Top Layer-No Net 4" (solid, pour order 16): -90,1605
no net on Top Layer "Top Layer-No Net" (solid, pour order 12): 2445,1965
VCC on Top Layer "Top Layer-NetBT1_1" (solid, pour order 4): 240,1615
GND on Bottom Layer "Bottom Layer-GND" (solid, pour order 38): 15,1855 cw(c115,1855) 115,1955 3820,1955 cw(c3820,1855) 3920,1855 3920,115 cw(c3820,115) 3820,15 115,15 cw(c115,115) 15,115

## Keep-outs
Top Layer:
  region: 0,480 -5,485 -5,1970

## Silkscreen, mask and mechanical layers (free items; w line width, h text height)
Top Overlay:
  drawing of 12 lines, arcs and shapes, not listed
  text "M.I.C. Control Board Rev A" at 2345,1825 h40
  text "Quad Squad 2020" at 2355,1760 h40
  text "Miguel Manguerra" at 2355,1685 h40
  text "Carter Cooper" at 2355,1610 h40
  text "Ilya Sharikov" at 2355,1535 h40
  text "-" at 560,1520 h60 r180
  text "+" at 880,1460 h60
  text "+" at 465,1330 h60
  text "-" at 510,985 h60 r90
  text "+" at 465,855 h60
  text "-" at 515,510 h60 r90
  text "+" at 495,450 h60
  text "-" at 845,445 h60
Mechanical 1:
  lines w10: 5,3.99 5,1963 3932.01,1963 3932.01,3.99 5,3.99